# KiCad board SparkFun_GNSS_ZED-X20P_panelized.kicad_pcb (continued)
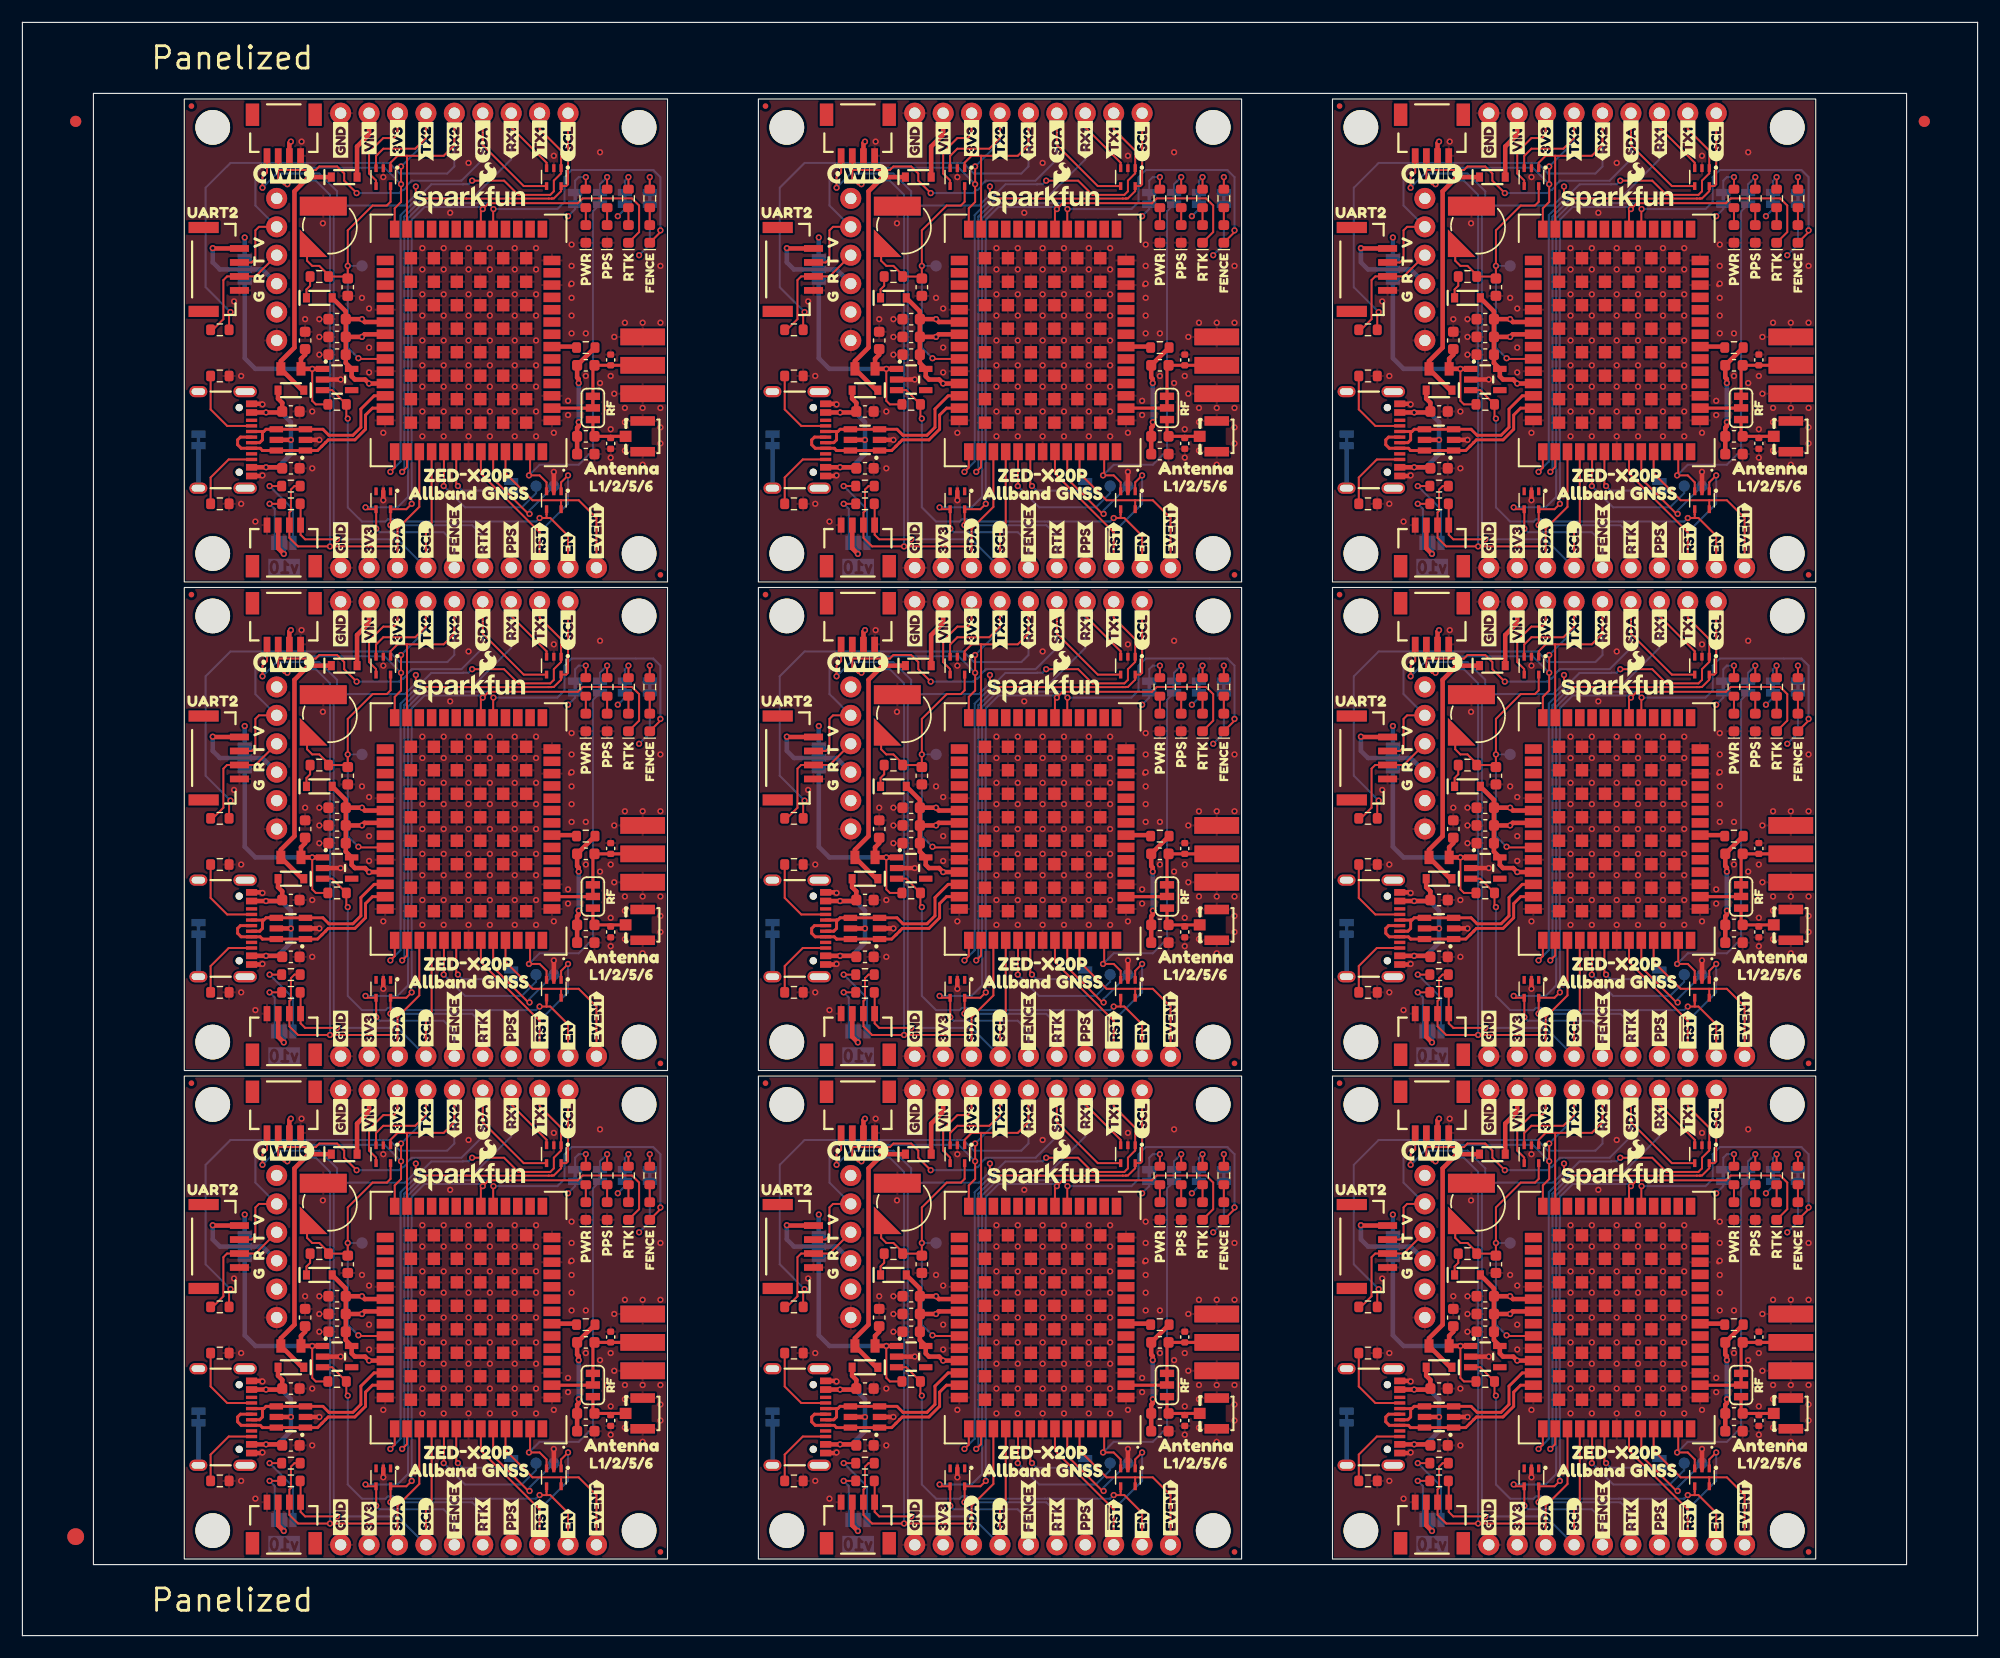
[diagram p0: board, top side]
## Placement (name value [footprint] x y rotation side) (continued)
J10#5  -  [U.FL]  106.73 107.23 180 top
J10#6  -  [U.FL]  106.73 19.87 180 top
J10#7  -  [U.FL]  55.43 63.55 180 top
J10#8  -  [U.FL]  158.03 19.87 180 top
J10#9  -  [U.FL]  158.03 107.23 180 top
J11  Conn_01x06  [1x06]  141.2 8.12 0 top
J11#2  Conn_01x06  [1x06]  141.2 95.48 0 top
J11#3  Conn_01x06  [1x06]  141.2 51.8 0 top
J11#4  Conn_01x06  [1x06]  38.6 8.12 0 top
J11#5  Conn_01x06  [1x06]  38.6 51.8 0 top
J11#6  Conn_01x06  [1x06]  89.9 8.12 0 top
J11#7  Conn_01x06  [1x06]  38.6 95.48 0 top
J11#8  Conn_01x06  [1x06]  89.9 51.8 0 top
J11#9  Conn_01x06  [1x06]  89.9 95.48 0 top
JP1  RF  [Jumper_3_NC-1_Trace]  50.98 22.41 270 top
JP1#2  RF  [Jumper_3_NC-1_Trace]  50.98 109.77 270 top
JP1#3  RF  [Jumper_3_NC-1_Trace]  153.58 109.77 270 top
JP1#4  RF  [Jumper_3_NC-1_Trace]  153.58 22.41 270 top
JP1#5  RF  [Jumper_3_NC-1_Trace]  153.58 66.09 270 top
JP1#6  RF  [Jumper_3_NC-1_Trace]  102.28 22.41 270 top
JP1#7  RF  [Jumper_3_NC-1_Trace]  50.98 66.09 270 top
JP1#8  RF  [Jumper_3_NC-1_Trace]  102.28 109.77 270 top
JP1#9  RF  [Jumper_3_NC-1_Trace]  102.28 66.09 270 top
JP2  ~  [Jumper_2_NC_Trace]  49.4 84.82 270 bottom
JP2#2  ~  [Jumper_2_NC_Trace]  151.99 41.14 270 bottom
JP2#3  ~  [Jumper_2_NC_Trace]  151.99 84.82 270 bottom
JP2#4  ~  [Jumper_2_NC_Trace]  49.4 128.5 270 bottom
JP2#5  ~  [Jumper_2_NC_Trace]  100.69 41.14 270 bottom
JP2#6  ~  [Jumper_2_NC_Trace]  100.69 128.5 270 bottom
JP2#7  ~  [Jumper_2_NC_Trace]  100.69 84.82 270 bottom
JP2#8  ~  [Jumper_2_NC_Trace]  151.99 128.5 270 bottom
JP2#9  ~  [Jumper_2_NC_Trace]  49.4 41.14 270 bottom
JP3  ~  [Jumper_2_NC_Trace]  51.62 41.14 270 bottom
JP3#2  ~  [Jumper_2_NC_Trace]  154.22 41.14 270 bottom
JP3#3  ~  [Jumper_2_NC_Trace]  51.62 84.82 270 bottom
JP3#4  ~  [Jumper_2_NC_Trace]  102.92 41.14 270 bottom
JP3#5  ~  [Jumper_2_NC_Trace]  102.92 84.82 270 bottom
JP3#6  ~  [Jumper_2_NC_Trace]  154.22 128.5 270 bottom
JP3#7  ~  [Jumper_2_NC_Trace]  154.22 84.82 270 bottom
JP3#8  ~  [Jumper_2_NC_Trace]  102.92 128.5 270 bottom
JP3#9  ~  [Jumper_2_NC_Trace]  51.62 128.5 270 bottom
JP4  ~  [Jumper_3_NC-1_Trace]  19.87 34.79 270 bottom
JP4#2  ~  [Jumper_3_NC-1_Trace]  122.47 122.15 270 bottom
JP4#3  ~  [Jumper_3_NC-1_Trace]  19.87 78.47 270 bottom
JP4#4  ~  [Jumper_3_NC-1_Trace]  71.17 122.15 270 bottom
JP4#5  ~  [Jumper_3_NC-1_Trace]  19.87 122.15 270 bottom
JP4#6  ~  [Jumper_3_NC-1_Trace]  71.17 78.47 270 bottom
JP4#7  ~  [Jumper_3_NC-1_Trace]  122.47 34.79 270 bottom
JP4#8  ~  [Jumper_3_NC-1_Trace]  71.17 34.79 270 bottom
JP4#9  ~  [Jumper_3_NC-1_Trace]  122.47 78.47 270 bottom
JP5  ~  [Jumper_2_NC_Trace]  105.14 41.14 270 bottom
JP5#2  ~  [Jumper_2_NC_Trace]  53.84 128.5 270 bottom
JP5#3  ~  [Jumper_2_NC_Trace]  53.84 84.82 270 bottom
JP5#4  ~  [Jumper_2_NC_Trace]  156.44 128.5 270 bottom
JP5#5  ~  [Jumper_2_NC_Trace]  105.14 84.82 270 bottom
JP5#6  ~  [Jumper_2_NC_Trace]  156.44 84.82 270 bottom
JP5#7  ~  [Jumper_2_NC_Trace]  156.44 41.14 270 bottom
JP5#8  ~  [Jumper_2_NC_Trace]  105.14 128.5 270 bottom
JP5#9  ~  [Jumper_2_NC_Trace]  53.84 41.14 270 bottom
JP7  ~  [Jumper_2_NC_Trace]  15.74 19.55 270 bottom
JP7#2  ~  [Jumper_2_NC_Trace]  67.04 106.91 270 bottom
JP7#3  ~  [Jumper_2_NC_Trace]  118.34 63.23 270 bottom
JP7#4  ~  [Jumper_2_NC_Trace]  67.04 19.55 270 bottom
JP7#5  ~  [Jumper_2_NC_Trace]  118.34 106.91 270 bottom
JP7#6  ~  [Jumper_2_NC_Trace]  15.74 63.23 270 bottom
JP7#7  ~  [Jumper_2_NC_Trace]  15.74 106.91 270 bottom
JP7#8  ~  [Jumper_2_NC_Trace]  67.04 63.23 270 bottom
JP7#9  ~  [Jumper_2_NC_Trace]  118.34 19.55 270 bottom
JP8  ~  [Jumper_2_NC_Trace]  56.06 41.14 270 bottom
JP8#2  ~  [Jumper_2_NC_Trace]  56.06 84.82 270 bottom
JP8#3  ~  [Jumper_2_NC_Trace]  107.36 128.5 270 bottom
JP8#4  ~  [Jumper_2_NC_Trace]  56.06 128.5 270 bottom
JP8#5  ~  [Jumper_2_NC_Trace]  107.36 41.14 270 bottom
JP8#6  ~  [Jumper_2_NC_Trace]  107.36 84.82 270 bottom
JP8#7  ~  [Jumper_2_NC_Trace]  158.66 41.14 270 bottom
JP8#8  ~  [Jumper_2_NC_Trace]  158.66 84.82 270 bottom
JP8#9  ~  [Jumper_2_NC_Trace]  158.66 128.5 270 bottom
JP9  I2C  [Jumper_3_NO]  23.36 10.34 180 bottom
JP9#2  I2C  [Jumper_3_NO]  23.36 54.02 180 bottom
JP9#3  I2C  [Jumper_3_NO]  23.36 97.7 180 bottom
JP9#4  I2C  [Jumper_3_NO]  74.66 10.34 180 bottom
JP9#5  I2C  [Jumper_3_NO]  74.66 54.02 180 bottom
JP9#6  I2C  [Jumper_3_NO]  125.96 97.7 180 bottom
JP9#7  I2C  [Jumper_3_NO]  125.96 10.34 180 bottom
JP9#8  I2C  [Jumper_3_NO]  125.96 54.02 180 bottom
JP9#9  I2C  [Jumper_3_NO]  74.66 97.7 180 bottom
JP10  SPI  [Jumper_2_NO]  43.68 15.42 270 bottom
JP10#2  SPI  [Jumper_2_NO]  43.68 59.1 270 bottom
JP10#3  SPI  [Jumper_2_NO]  94.98 59.1 270 bottom
JP10#4  SPI  [Jumper_2_NO]  94.98 15.42 270 bottom
JP10#5  SPI  [Jumper_2_NO]  146.28 59.1 270 bottom
JP10#6  SPI  [Jumper_2_NO]  43.68 102.78 270 bottom
JP10#7  SPI  [Jumper_2_NO]  94.98 102.78 270 bottom
JP10#8  SPI  [Jumper_2_NO]  146.28 15.42 270 bottom
JP10#9  SPI  [Jumper_2_NO]  146.28 102.78 270 bottom
kibuzzard-64C2E6A3  G***  [kibuzzard-64C2E6A3]  50.35 78.47 90 top
kibuzzard-64C2E6A3#2  G***  [kibuzzard-64C2E6A3]  50.35 34.79 90 top
kibuzzard-64C2E6A3#3  G***  [kibuzzard-64C2E6A3]  152.95 122.15 90 top
kibuzzard-64C2E6A3#4  G***  [kibuzzard-64C2E6A3]  101.65 78.47 90 top
kibuzzard-64C2E6A3#5  G***  [kibuzzard-64C2E6A3]  152.95 78.47 90 top
kibuzzard-64C2E6A3#6  G***  [kibuzzard-64C2E6A3]  101.65 34.79 90 top
kibuzzard-64C2E6A3#7  G***  [kibuzzard-64C2E6A3]  152.95 34.79 90 top
kibuzzard-64C2E6A3#8  G***  [kibuzzard-64C2E6A3]  101.65 122.15 90 top
kibuzzard-64C2E6A3#9  G***  [kibuzzard-64C2E6A3]  50.35 122.15 90 top
kibuzzard-64C2E6BD  G***  [kibuzzard-64C2E6BD]  52.25 35.11 90 top
kibuzzard-64C2E6BD#2  G***  [kibuzzard-64C2E6BD]  52.25 78.79 90 top
kibuzzard-64C2E6BD#3  G***  [kibuzzard-64C2E6BD]  52.25 122.47 90 top
kibuzzard-64C2E6BD#4  G***  [kibuzzard-64C2E6BD]  103.55 122.47 90 top
kibuzzard-64C2E6BD#5  G***  [kibuzzard-64C2E6BD]  154.85 122.47 90 top
kibuzzard-64C2E6BD#6  G***  [kibuzzard-64C2E6BD]  103.55 35.11 90 top
kibuzzard-64C2E6BD#7  G***  [kibuzzard-64C2E6BD]  103.55 78.79 90 top
kibuzzard-64C2E6BD#8  G***  [kibuzzard-64C2E6BD]  154.85 35.11 90 top
kibuzzard-64C2E6BD#9  G***  [kibuzzard-64C2E6BD]  154.85 78.79 90 top
kibuzzard-64C2E6D6  G***  [kibuzzard-64C2E6D6]  54.16 34.99 90 top
kibuzzard-64C2E6D6#2  G***  [kibuzzard-64C2E6D6]  54.16 78.67 90 top
kibuzzard-64C2E6D6#3  G***  [kibuzzard-64C2E6D6]  54.16 122.35 90 top
kibuzzard-64C2E6D6#4  G***  [kibuzzard-64C2E6D6]  105.46 78.67 90 top
kibuzzard-64C2E6D6#5  G***  [kibuzzard-64C2E6D6]  105.46 34.99 90 top
kibuzzard-64C2E6D6#6  G***  [kibuzzard-64C2E6D6]  156.76 78.67 90 top
kibuzzard-64C2E6D6#7  G***  [kibuzzard-64C2E6D6]  156.76 122.35 90 top
kibuzzard-64C2E6D6#8  G***  [kibuzzard-64C2E6D6]  105.46 122.35 90 top
kibuzzard-64C2E6D6#9  G***  [kibuzzard-64C2E6D6]  156.76 34.99 90 top
kibuzzard-64C3DF93  G***  [kibuzzard-64C3DF93]  17.51 19.55 270 bottom
kibuzzard-64C3DF93#2  G***  [kibuzzard-64C3DF93]  17.51 63.23 270 bottom
kibuzzard-64C3DF93#3  G***  [kibuzzard-64C3DF93]  68.81 19.55 270 bottom
kibuzzard-64C3DF93#4  G***  [kibuzzard-64C3DF93]  17.51 106.91 270 bottom
kibuzzard-64C3DF93#5  G***  [kibuzzard-64C3DF93]  68.81 63.23 270 bottom
kibuzzard-64C3DF93#6  G***  [kibuzzard-64C3DF93]  120.11 19.55 270 bottom
kibuzzard-64C3DF93#7  G***  [kibuzzard-64C3DF93]  68.81 106.91 270 bottom
kibuzzard-64C3DF93#8  G***  [kibuzzard-64C3DF93]  120.11 63.23 270 bottom
kibuzzard-64C3DF93#9  G***  [kibuzzard-64C3DF93]  120.11 106.91 270 bottom
kibuzzard-66CAA7B2  G***  [kibuzzard-66CAA7B2]  51.3 11.45 90 top
kibuzzard-66CAA7B2#2  G***  [kibuzzard-66CAA7B2]  51.3 98.81 90 top
kibuzzard-66CAA7B2#3  G***  [kibuzzard-66CAA7B2]  153.9 55.13 90 top
kibuzzard-66CAA7B2#4  G***  [kibuzzard-66CAA7B2]  102.6 55.13 90 top
kibuzzard-66CAA7B2#5  G***  [kibuzzard-66CAA7B2]  102.6 98.81 90 top
kibuzzard-66CAA7B2#6  G***  [kibuzzard-66CAA7B2]  153.9 98.81 90 top
kibuzzard-66CAA7B2#7  G***  [kibuzzard-66CAA7B2]  102.6 11.45 90 top
kibuzzard-66CAA7B2#8  G***  [kibuzzard-66CAA7B2]  51.3 55.13 90 top
kibuzzard-66CAA7B2#9  G***  [kibuzzard-66CAA7B2]  153.9 11.45 90 top
kibuzzard-66CAA41A  G***  [kibuzzard-66CAA41A]  33.52 54.43 90 top
kibuzzard-66CAA41A#2  G***  [kibuzzard-66CAA41A]  136.12 98.11 90 top
kibuzzard-66CAA41A#3  G***  [kibuzzard-66CAA41A]  84.82 10.75 90 top
kibuzzard-66CAA41A#4  G***  [kibuzzard-66CAA41A]  84.82 54.43 90 top
kibuzzard-66CAA41A#5  G***  [kibuzzard-66CAA41A]  84.82 98.11 90 top
kibuzzard-66CAA41A#6  G***  [kibuzzard-66CAA41A]  33.52 98.11 90 top
kibuzzard-66CAA41A#7  G***  [kibuzzard-66CAA41A]  136.12 10.75 90 top
kibuzzard-66CAA41A#8  G***  [kibuzzard-66CAA41A]  136.12 54.43 90 top
kibuzzard-66CAA41A#9  G***  [kibuzzard-66CAA41A]  33.52 10.75 90 top
kibuzzard-66CAA426  G***  [kibuzzard-66CAA426]  30.98 97.83 90 top
kibuzzard-66CAA426#2  G***  [kibuzzard-66CAA426]  82.28 54.15 90 top
kibuzzard-66CAA426#3  G***  [kibuzzard-66CAA426]  133.58 54.15 90 top
kibuzzard-66CAA426#4  G***  [kibuzzard-66CAA426]  30.98 54.15 90 top
kibuzzard-66CAA426#5  G***  [kibuzzard-66CAA426]  133.58 97.83 90 top
kibuzzard-66CAA426#6  G***  [kibuzzard-66CAA426]  82.28 10.47 90 top
kibuzzard-66CAA426#7  G***  [kibuzzard-66CAA426]  133.58 10.47 90 top
kibuzzard-66CAA426#8  G***  [kibuzzard-66CAA426]  82.28 97.83 90 top
kibuzzard-66CAA426#9  G***  [kibuzzard-66CAA426]  30.98 10.47 90 top
kibuzzard-66CAA432  G***  [kibuzzard-66CAA432]  28.44 97.95 90 top
kibuzzard-66CAA432#2  G***  [kibuzzard-66CAA432]  131.04 54.27 90 top
kibuzzard-66CAA432#3  G***  [kibuzzard-66CAA432]  131.04 97.95 90 top
kibuzzard-66CAA432#4  G***  [kibuzzard-66CAA432]  79.74 10.59 90 top
kibuzzard-66CAA432#5  G***  [kibuzzard-66CAA432]  131.04 10.59 90 top
kibuzzard-66CAA432#6  G***  [kibuzzard-66CAA432]  79.74 54.27 90 top
kibuzzard-66CAA432#7  G***  [kibuzzard-66CAA432]  79.74 97.95 90 top
kibuzzard-66CAA432#8  G***  [kibuzzard-66CAA432]  28.44 54.27 90 top
kibuzzard-66CAA432#9  G***  [kibuzzard-66CAA432]  28.44 10.59 90 top
kibuzzard-66CAA594  G***  [kibuzzard-66CAA594]  36.06 10.66 90 top
kibuzzard-66CAA594#2  G***  [kibuzzard-66CAA594]  87.36 10.66 90 top
kibuzzard-66CAA594#3  G***  [kibuzzard-66CAA594]  87.36 98.02 90 top
kibuzzard-66CAA594#4  G***  [kibuzzard-66CAA594]  36.06 54.34 90 top
kibuzzard-66CAA594#5  G***  [kibuzzard-66CAA594]  36.06 98.02 90 top
kibuzzard-66CAA594#6  G***  [kibuzzard-66CAA594]  138.66 10.66 90 top
kibuzzard-66CAA594#7  G***  [kibuzzard-66CAA594]  87.36 54.34 90 top
kibuzzard-66CAA594#8  G***  [kibuzzard-66CAA594]  138.66 54.34 90 top
kibuzzard-66CAA594#9  G***  [kibuzzard-66CAA594]  138.66 98.02 90 top
kibuzzard-66CB82FB  G***  [kibuzzard-66CB82FB]  19.87 124.69 180 bottom
kibuzzard-66CB82FB#2  G***  [kibuzzard-66CB82FB]  71.17 37.33 180 bottom
kibuzzard-66CB82FB#3  G***  [kibuzzard-66CB82FB]  122.47 124.69 180 bottom
kibuzzard-66CB82FB#4  G***  [kibuzzard-66CB82FB]  19.87 81.01 180 bottom
kibuzzard-66CB82FB#5  G***  [kibuzzard-66CB82FB]  122.47 81.01 180 bottom
kibuzzard-66CB82FB#6  G***  [kibuzzard-66CB82FB]  71.17 81.01 180 bottom
kibuzzard-66CB82FB#7  G***  [kibuzzard-66CB82FB]  71.17 124.69 180 bottom
kibuzzard-66CB82FB#8  G***  [kibuzzard-66CB82FB]  122.47 37.33 180 bottom
kibuzzard-66CB82FB#9  G***  [kibuzzard-66CB82FB]  19.87 37.33 180 bottom
kibuzzard-66CB829C  G***  [kibuzzard-66CB829C]  69.26 34.79 270 bottom
kibuzzard-66CB829C#2  G***  [kibuzzard-66CB829C]  17.96 122.15 270 bottom
kibuzzard-66CB829C#3  G***  [kibuzzard-66CB829C]  17.96 78.47 270 bottom
kibuzzard-66CB829C#4  G***  [kibuzzard-66CB829C]  120.56 122.15 270 bottom
kibuzzard-66CB829C#5  G***  [kibuzzard-66CB829C]  120.56 34.79 270 bottom
kibuzzard-66CB829C#6  G***  [kibuzzard-66CB829C]  120.56 78.47 270 bottom
kibuzzard-66CB829C#7  G***  [kibuzzard-66CB829C]  69.26 78.47 270 bottom
kibuzzard-66CB829C#8  G***  [kibuzzard-66CB829C]  69.26 122.15 270 bottom
kibuzzard-66CB829C#9  G***  [kibuzzard-66CB829C]  17.96 34.79 270 bottom
kibuzzard-66CB830B  G***  [kibuzzard-66CB830B]  19.87 32.25 180 bottom
kibuzzard-66CB830B#2  G***  [kibuzzard-66CB830B]  71.17 119.61 180 bottom
kibuzzard-66CB830B#3  G***  [kibuzzard-66CB830B]  71.17 75.93 180 bottom
kibuzzard-66CB830B#4  G***  [kibuzzard-66CB830B]  122.47 75.93 180 bottom
kibuzzard-66CB830B#5  G***  [kibuzzard-66CB830B]  19.87 75.93 180 bottom
kibuzzard-66CB830B#6  G***  [kibuzzard-66CB830B]  71.17 32.25 180 bottom
kibuzzard-66CB830B#7  G***  [kibuzzard-66CB830B]  19.87 119.61 180 bottom
kibuzzard-66CB830B#8  G***  [kibuzzard-66CB830B]  122.47 32.25 180 bottom
kibuzzard-66CB830B#9  G***  [kibuzzard-66CB830B]  122.47 119.61 180 bottom
kibuzzard-67EC5C53  G***  [kibuzzard-67EC5C53]  43.68 105 270 bottom
kibuzzard-67EC5C53#2  G***  [kibuzzard-67EC5C53]  94.98 61.33 270 bottom
kibuzzard-67EC5C53#3  G***  [kibuzzard-67EC5C53]  146.28 17.64 270 bottom
kibuzzard-67EC5C53#4  G***  [kibuzzard-67EC5C53]  43.68 61.33 270 bottom
kibuzzard-67EC5C53#5  G***  [kibuzzard-67EC5C53]  94.98 17.64 270 bottom
kibuzzard-67EC5C53#6  G***  [kibuzzard-67EC5C53]  94.98 105 270 bottom
kibuzzard-67EC5C53#7  G***  [kibuzzard-67EC5C53]  146.28 61.33 270 bottom
kibuzzard-67EC5C53#8  G***  [kibuzzard-67EC5C53]  146.28 105 270 bottom
kibuzzard-67EC5C53#9  G***  [kibuzzard-67EC5C53]  43.68 17.64 270 bottom
kibuzzard-67EC52D7  G***  [kibuzzard-67EC52D7]  30.98 46.54 270 bottom
kibuzzard-67EC52D7#2  G***  [kibuzzard-67EC52D7]  82.28 46.54 270 bottom
kibuzzard-67EC52D7#3  G***  [kibuzzard-67EC52D7]  30.98 90.22 270 bottom
kibuzzard-67EC52D7#4  G***  [kibuzzard-67EC52D7]  30.98 133.9 270 bottom
kibuzzard-67EC52D7#5  G***  [kibuzzard-67EC52D7]  133.58 90.22 270 bottom
kibuzzard-67EC52D7#6  G***  [kibuzzard-67EC52D7]  133.58 46.54 270 bottom
kibuzzard-67EC52D7#7  G***  [kibuzzard-67EC52D7]  82.28 90.22 270 bottom
kibuzzard-67EC52D7#8  G***  [kibuzzard-67EC52D7]  133.58 133.9 270 bottom
kibuzzard-67EC52D7#9  G***  [kibuzzard-67EC52D7]  82.28 133.9 270 bottom
kibuzzard-67EC52E7  G***  [kibuzzard-67EC52E7]  30.98 46.54 90 top
kibuzzard-67EC52E7#2  G***  [kibuzzard-67EC52E7]  30.98 90.22 90 top
kibuzzard-67EC52E7#3  G***  [kibuzzard-67EC52E7]  82.28 90.22 90 top
kibuzzard-67EC52E7#4  G***  [kibuzzard-67EC52E7]  133.58 90.22 90 top
kibuzzard-67EC52E7#5  G***  [kibuzzard-67EC52E7]  30.98 133.9 90 top
kibuzzard-67EC52E7#6  G***  [kibuzzard-67EC52E7]  82.28 46.54 90 top
kibuzzard-67EC52E7#7  G***  [kibuzzard-67EC52E7]  82.28 133.9 90 top
kibuzzard-67EC52E7#8  G***  [kibuzzard-67EC52E7]  133.58 46.54 90 top
kibuzzard-67EC52E7#9  G***  [kibuzzard-67EC52E7]  133.58 133.9 90 top
kibuzzard-67EC55E2  G***  [kibuzzard-67EC55E2]  20.5 10.34 180 bottom
kibuzzard-67EC55E2#2  G***  [kibuzzard-67EC55E2]  123.1 54.02 180 bottom
kibuzzard-67EC55E2#3  G***  [kibuzzard-67EC55E2]  20.5 54.02 180 bottom
kibuzzard-67EC55E2#4  G***  [kibuzzard-67EC55E2]  123.1 97.7 180 bottom
kibuzzard-67EC55E2#5  G***  [kibuzzard-67EC55E2]  123.1 10.34 180 bottom
kibuzzard-67EC55E2#6  G***  [kibuzzard-67EC55E2]  20.5 97.7 180 bottom
kibuzzard-67EC55E2#7  G***  [kibuzzard-67EC55E2]  71.8 10.34 180 bottom
kibuzzard-67EC55E2#8  G***  [kibuzzard-67EC55E2]  71.8 54.02 180 bottom
kibuzzard-67EC55E2#9  G***  [kibuzzard-67EC55E2]  71.8 97.7 180 bottom
kibuzzard-67EC56CE  G***  [kibuzzard-67EC56CE]  53.52 15.42 0 top
kibuzzard-67EC56CE#2  G***  [kibuzzard-67EC56CE]  104.82 59.1 0 top
kibuzzard-67EC56CE#3  G***  [kibuzzard-67EC56CE]  156.12 59.1 0 top
kibuzzard-67EC56CE#4  G***  [kibuzzard-67EC56CE]  53.52 59.1 0 top
kibuzzard-67EC56CE#5  G***  [kibuzzard-67EC56CE]  53.52 102.78 0 top
kibuzzard-67EC56CE#6  G***  [kibuzzard-67EC56CE]  104.82 102.78 0 top
kibuzzard-67EC56CE#7  G***  [kibuzzard-67EC56CE]  104.82 15.42 0 top
kibuzzard-67EC56CE#8  G***  [kibuzzard-67EC56CE]  156.12 15.42 0 top
kibuzzard-67EC56CE#9  G***  [kibuzzard-67EC56CE]  156.12 102.78 0 top
kibuzzard-67EC56CE#10  G***  [kibuzzard-67EC56CE]  52.25 26.22 270 bottom
kibuzzard-67EC56CE#11  G***  [kibuzzard-67EC56CE]  52.25 113.58 270 bottom
kibuzzard-67EC56CE#12  G***  [kibuzzard-67EC56CE]  103.55 26.22 270 bottom
kibuzzard-67EC56CE#13  G***  [kibuzzard-67EC56CE]  52.25 69.9 270 bottom
kibuzzard-67EC56CE#14  G***  [kibuzzard-67EC56CE]  103.55 69.9 270 bottom
kibuzzard-67EC56CE#15  G***  [kibuzzard-67EC56CE]  103.55 113.58 270 bottom
kibuzzard-67EC56CE#16  G***  [kibuzzard-67EC56CE]  154.85 69.9 270 bottom
kibuzzard-67EC56CE#17  G***  [kibuzzard-67EC56CE]  154.85 113.58 270 bottom
kibuzzard-67EC56CE#18  G***  [kibuzzard-67EC56CE]  154.85 26.22 270 bottom
kibuzzard-67EC56E0  G***  [kibuzzard-67EC56E0]  53.52 17.01 0 top
kibuzzard-67EC56E0#2  G***  [kibuzzard-67EC56E0]  104.82 17.01 0 top
kibuzzard-67EC56E0#3  G***  [kibuzzard-67EC56E0]  53.52 60.69 0 top
kibuzzard-67EC56E0#4  G***  [kibuzzard-67EC56E0]  53.52 104.37 0 top
kibuzzard-67EC56E0#5  G***  [kibuzzard-67EC56E0]  156.12 17.01 0 top
kibuzzard-67EC56E0#6  G***  [kibuzzard-67EC56E0]  104.82 60.69 0 top
kibuzzard-67EC56E0#7  G***  [kibuzzard-67EC56E0]  104.82 104.37 0 top
kibuzzard-67EC56E0#8  G***  [kibuzzard-67EC56E0]  156.12 104.37 0 top
kibuzzard-67EC56E0#9  G***  [kibuzzard-67EC56E0]  156.12 60.69 0 top
kibuzzard-67EC56E0#10  G***  [kibuzzard-67EC56E0]  50.66 26.22 270 bottom
kibuzzard-67EC56E0#11  G***  [kibuzzard-67EC56E0]  101.97 26.22 270 bottom
kibuzzard-67EC56E0#12  G***  [kibuzzard-67EC56E0]  153.27 26.22 270 bottom
kibuzzard-67EC56E0#13  G***  [kibuzzard-67EC56E0]  101.97 113.58 270 bottom
kibuzzard-67EC56E0#14  G***  [kibuzzard-67EC56E0]  50.66 69.9 270 bottom
kibuzzard-67EC56E0#15  G***  [kibuzzard-67EC56E0]  50.66 113.58 270 bottom
kibuzzard-67EC56E0#16  G***  [kibuzzard-67EC56E0]  101.97 69.9 270 bottom
kibuzzard-67EC56E0#17  G***  [kibuzzard-67EC56E0]  153.27 69.9 270 bottom
kibuzzard-67EC56E0#18  G***  [kibuzzard-67EC56E0]  153.27 113.58 270 bottom
kibuzzard-67EC56FC  G***  [kibuzzard-67EC56FC]  39.87 16.38 0 top
kibuzzard-67EC56FC#2  G***  [kibuzzard-67EC56FC]  39.87 60.06 0 top
kibuzzard-67EC56FC#3  G***  [kibuzzard-67EC56FC]  91.17 60.06 0 top
kibuzzard-67EC56FC#4  G***  [kibuzzard-67EC56FC]  91.17 103.73 0 top
kibuzzard-67EC56FC#5  G***  [kibuzzard-67EC56FC]  142.47 16.38 0 top
kibuzzard-67EC56FC#6  G***  [kibuzzard-67EC56FC]  39.87 103.73 0 top
kibuzzard-67EC56FC#7  G***  [kibuzzard-67EC56FC]  91.17 16.38 0 top
kibuzzard-67EC56FC#8  G***  [kibuzzard-67EC56FC]  142.47 60.06 0 top
kibuzzard-67EC56FC#9  G***  [kibuzzard-67EC56FC]  142.47 103.73 0 top
kibuzzard-67EC530B  G***  [kibuzzard-67EC530B]  38.6 11.3 90 top
kibuzzard-67EC530B#2  G***  [kibuzzard-67EC530B]  38.6 98.66 90 top
kibuzzard-67EC530B#3  G***  [kibuzzard-67EC530B]  38.6 54.98 90 top
kibuzzard-67EC530B#4  G***  [kibuzzard-67EC530B]  141.2 11.3 90 top
kibuzzard-67EC530B#5  G***  [kibuzzard-67EC530B]  141.2 54.98 90 top
kibuzzard-67EC530B#6  G***  [kibuzzard-67EC530B]  141.2 98.66 90 top
kibuzzard-67EC530B#7  G***  [kibuzzard-67EC530B]  89.9 11.3 90 top
kibuzzard-67EC530B#8  G***  [kibuzzard-67EC530B]  89.9 98.66 90 top
kibuzzard-67EC530B#9  G***  [kibuzzard-67EC530B]  89.9 54.98 90 top
kibuzzard-67EC532A  G***  [kibuzzard-67EC532A]  38.6 11.3 270 bottom
kibuzzard-67EC532A#2  G***  [kibuzzard-67EC532A]  38.6 54.98 270 bottom
kibuzzard-67EC532A#3  G***  [kibuzzard-67EC532A]  141.2 11.3 270 bottom
kibuzzard-67EC532A#4  G***  [kibuzzard-67EC532A]  89.9 98.66 270 bottom
kibuzzard-67EC532A#5  G***  [kibuzzard-67EC532A]  38.6 98.66 270 bottom
kibuzzard-67EC532A#6  G***  [kibuzzard-67EC532A]  89.9 54.98 270 bottom
kibuzzard-67EC532A#7  G***  [kibuzzard-67EC532A]  141.2 54.98 270 bottom
kibuzzard-67EC532A#8  G***  [kibuzzard-67EC532A]  141.2 98.66 270 bottom
kibuzzard-67EC532A#9  G***  [kibuzzard-67EC532A]  89.9 11.3 270 bottom
kibuzzard-67EC572D  G***  [kibuzzard-67EC572D]  37.01 69.9 270 bottom
kibuzzard-67EC572D#2  G***  [kibuzzard-67EC572D]  139.61 26.22 270 bottom
kibuzzard-67EC572D#3  G***  [kibuzzard-67EC572D]  37.01 113.58 270 bottom
kibuzzard-67EC572D#4  G***  [kibuzzard-67EC572D]  88.31 26.22 270 bottom
kibuzzard-67EC572D#5  G***  [kibuzzard-67EC572D]  88.31 69.9 270 bottom
kibuzzard-67EC572D#6  G***  [kibuzzard-67EC572D]  88.31 113.58 270 bottom
kibuzzard-67EC572D#7  G***  [kibuzzard-67EC572D]  139.61 69.9 270 bottom
kibuzzard-67EC572D#8  G***  [kibuzzard-67EC572D]  139.61 113.58 270 bottom
kibuzzard-67EC572D#9  G***  [kibuzzard-67EC572D]  37.01 26.22 270 bottom
kibuzzard-67EC5004  G***  [kibuzzard-67EC5004]  45.9 18.92 270 bottom
kibuzzard-67EC5004#2  G***  [kibuzzard-67EC5004]  45.9 62.6 270 bottom
kibuzzard-67EC5004#3  G***  [kibuzzard-67EC5004]  45.9 106.28 270 bottom
kibuzzard-67EC5004#4  G***  [kibuzzard-67EC5004]  148.5 62.6 270 bottom
kibuzzard-67EC5004#5  G***  [kibuzzard-67EC5004]  97.2 62.6 270 bottom
kibuzzard-67EC5004#6  G***  [kibuzzard-67EC5004]  148.5 18.92 270 bottom
kibuzzard-67EC5004#7  G***  [kibuzzard-67EC5004]  97.2 18.92 270 bottom
kibuzzard-67EC5004#8  G***  [kibuzzard-67EC5004]  97.2 106.28 270 bottom
kibuzzard-67EC5004#9  G***  [kibuzzard-67EC5004]  148.5 106.28 270 bottom
kibuzzard-67EC5083  G***  [kibuzzard-67EC5083]  56.06 34.47 90 top
kibuzzard-67EC5083#2  G***  [kibuzzard-67EC5083]  56.06 78.15 90 top
kibuzzard-67EC5083#3  G***  [kibuzzard-67EC5083]  56.06 121.83 90 top
kibuzzard-67EC5083#4  G***  [kibuzzard-67EC5083]  107.36 78.15 90 top
kibuzzard-67EC5083#5  G***  [kibuzzard-67EC5083]  158.66 78.15 90 top
kibuzzard-67EC5083#6  G***  [kibuzzard-67EC5083]  107.36 121.83 90 top
kibuzzard-67EC5083#7  G***  [kibuzzard-67EC5083]  107.36 34.47 90 top
kibuzzard-67EC5083#8  G***  [kibuzzard-67EC5083]  158.66 34.47 90 top
kibuzzard-67EC5083#9  G***  [kibuzzard-67EC5083]  158.66 121.83 90 top
kibuzzard-67EC5549  G***  [kibuzzard-67EC5549]  47.49 61.64 270 bottom
kibuzzard-67EC5549#2  G***  [kibuzzard-67EC5549]  47.49 105.32 270 bottom
kibuzzard-67EC5549#3  G***  [kibuzzard-67EC5549]  98.79 105.32 270 bottom
kibuzzard-67EC5549#4  G***  [kibuzzard-67EC5549]  150.09 105.32 270 bottom
kibuzzard-67EC5549#5  G***  [kibuzzard-67EC5549]  150.09 61.64 270 bottom
kibuzzard-67EC5549#6  G***  [kibuzzard-67EC5549]  98.79 17.96 270 bottom
kibuzzard-67EC5549#7  G***  [kibuzzard-67EC5549]  98.79 61.64 270 bottom
kibuzzard-67EC5549#8  G***  [kibuzzard-67EC5549]  150.09 17.96 270 bottom
kibuzzard-67EC5549#9  G***  [kibuzzard-67EC5549]  47.49 17.96 270 bottom
kibuzzard-67EC5701  G***  [kibuzzard-67EC5701]  39.87 14.79 0 top
kibuzzard-67EC5701#2  G***  [kibuzzard-67EC5701]  39.87 58.47 0 top
kibuzzard-67EC5701#3  G***  [kibuzzard-67EC5701]  142.47 58.47 0 top
kibuzzard-67EC5701#4  G***  [kibuzzard-67EC5701]  142.47 102.15 0 top
kibuzzard-67EC5701#5  G***  [kibuzzard-67EC5701]  39.87 102.15 0 top
kibuzzard-67EC5701#6  G***  [kibuzzard-67EC5701]  91.17 102.15 0 top
kibuzzard-67EC5701#7  G***  [kibuzzard-67EC5701]  91.17 14.79 0 top
kibuzzard-67EC5701#8  G***  [kibuzzard-67EC5701]  91.17 58.47 0 top
kibuzzard-67EC5701#9  G***  [kibuzzard-67EC5701]  142.47 14.79 0 top
kibuzzard-67EC5939  G***  [kibuzzard-67EC5939]  17.01 39.87 0 top
kibuzzard-67EC5939#2  G***  [kibuzzard-67EC5939]  68.31 39.87 0 top
kibuzzard-67EC5939#3  G***  [kibuzzard-67EC5939]  17.01 83.55 0 top
kibuzzard-67EC5939#4  G***  [kibuzzard-67EC5939]  17.01 127.23 0 top
kibuzzard-67EC5939#5  G***  [kibuzzard-67EC5939]  119.61 83.55 0 top
kibuzzard-67EC5939#6  G***  [kibuzzard-67EC5939]  68.31 83.55 0 top
kibuzzard-67EC5939#7  G***  [kibuzzard-67EC5939]  68.31 127.23 0 top
kibuzzard-67EC5939#8  G***  [kibuzzard-67EC5939]  119.61 39.87 0 top
kibuzzard-67EC5939#9  G***  [kibuzzard-67EC5939]  119.61 127.23 0 top
kibuzzard-67ED9A4D  G***  [kibuzzard-67ED9A4D]  33.52 133.9 90 top
kibuzzard-67ED9A4D#2  G***  [kibuzzard-67ED9A4D]  33.52 90.22 90 top
kibuzzard-67ED9A4D#3  G***  [kibuzzard-67ED9A4D]  84.82 133.9 90 top
kibuzzard-67ED9A4D#4  G***  [kibuzzard-67ED9A4D]  84.82 46.54 90 top
kibuzzard-67ED9A4D#5  G***  [kibuzzard-67ED9A4D]  84.82 90.22 90 top
kibuzzard-67ED9A4D#6  G***  [kibuzzard-67ED9A4D]  136.12 133.9 90 top
kibuzzard-67ED9A4D#7  G***  [kibuzzard-67ED9A4D]  136.12 46.54 90 top
kibuzzard-67ED9A4D#8  G***  [kibuzzard-67ED9A4D]  136.12 90.22 90 top
kibuzzard-67ED9A4D#9  G***  [kibuzzard-67ED9A4D]  33.52 46.54 90 top
kibuzzard-67ED9A5A  G***  [kibuzzard-67ED9A5A]  43.68 46.38 90 top
kibuzzard-67ED9A5A#2  G***  [kibuzzard-67ED9A5A]  94.98 133.74 90 top
kibuzzard-67ED9A5A#3  G***  [kibuzzard-67ED9A5A]  43.68 90.06 90 top
kibuzzard-67ED9A5A#4  G***  [kibuzzard-67ED9A5A]  43.68 133.74 90 top
kibuzzard-67ED9A5A#5  G***  [kibuzzard-67ED9A5A]  94.98 90.06 90 top
kibuzzard-67ED9A5A#6  G***  [kibuzzard-67ED9A5A]  94.98 46.38 90 top
kibuzzard-67ED9A5A#7  G***  [kibuzzard-67ED9A5A]  146.28 133.74 90 top
kibuzzard-67ED9A5A#8  G***  [kibuzzard-67ED9A5A]  146.28 46.38 90 top
kibuzzard-67ED9A5A#9  G***  [kibuzzard-67ED9A5A]  146.28 90.06 90 top
kibuzzard-67ED9A5D  G***  [kibuzzard-67ED9A5D]  46.22 46.38 90 top
kibuzzard-67ED9A5D#2  G***  [kibuzzard-67ED9A5D]  46.22 90.06 90 top
kibuzzard-67ED9A5D#3  G***  [kibuzzard-67ED9A5D]  97.52 133.74 90 top
kibuzzard-67ED9A5D#4  G***  [kibuzzard-67ED9A5D]  46.22 133.74 90 top
kibuzzard-67ED9A5D#5  G***  [kibuzzard-67ED9A5D]  97.52 46.38 90 top
kibuzzard-67ED9A5D#6  G***  [kibuzzard-67ED9A5D]  148.82 46.38 90 top
kibuzzard-67ED9A5D#7  G***  [kibuzzard-67ED9A5D]  97.52 90.06 90 top
kibuzzard-67ED9A5D#8  G***  [kibuzzard-67ED9A5D]  148.82 133.74 90 top
kibuzzard-67ED9A5D#9  G***  [kibuzzard-67ED9A5D]  148.82 90.06 90 top
kibuzzard-67ED9A28  G***  [kibuzzard-67ED9A28]  48.76 46.22 90 top
kibuzzard-67ED9A28#2  G***  [kibuzzard-67ED9A28]  48.76 89.9 90 top
kibuzzard-67ED9A28#3  G***  [kibuzzard-67ED9A28]  48.76 133.58 90 top
kibuzzard-67ED9A28#4  G***  [kibuzzard-67ED9A28]  100.06 46.22 90 top
kibuzzard-67ED9A28#5  G***  [kibuzzard-67ED9A28]  100.06 133.58 90 top
kibuzzard-67ED9A28#6  G***  [kibuzzard-67ED9A28]  151.36 133.58 90 top
kibuzzard-67ED9A28#7  G***  [kibuzzard-67ED9A28]  151.36 46.22 90 top
kibuzzard-67ED9A28#8  G***  [kibuzzard-67ED9A28]  151.36 89.9 90 top
kibuzzard-67ED9A28#9  G***  [kibuzzard-67ED9A28]  100.06 89.9 90 top
kibuzzard-67ED9A70  G***  [kibuzzard-67ED9A70]  41.14 46.22 90 top
kibuzzard-67ED9A70#2  G***  [kibuzzard-67ED9A70]  41.14 89.9 90 top
kibuzzard-67ED9A70#3  G***  [kibuzzard-67ED9A70]  92.44 89.9 90 top
kibuzzard-67ED9A70#4  G***  [kibuzzard-67ED9A70]  92.44 133.58 90 top
kibuzzard-67ED9A70#5  G***  [kibuzzard-67ED9A70]  143.74 46.22 90 top
kibuzzard-67ED9A70#6  G***  [kibuzzard-67ED9A70]  41.14 133.58 90 top
kibuzzard-67ED9A70#7  G***  [kibuzzard-67ED9A70]  143.74 89.9 90 top
kibuzzard-67ED9A70#8  G***  [kibuzzard-67ED9A70]  143.74 133.58 90 top
kibuzzard-67ED9A70#9  G***  [kibuzzard-67ED9A70]  92.44 46.22 90 top
kibuzzard-67ED9C3D  G***  [kibuzzard-67ED9C3D]  127.71 77.2 180 bottom
kibuzzard-67ED9C3D#2  G***  [kibuzzard-67ED9C3D]  76.41 120.88 180 bottom
kibuzzard-67ED9C3D#3  G***  [kibuzzard-67ED9C3D]  76.41 77.2 180 bottom
kibuzzard-67ED9C3D#4  G***  [kibuzzard-67ED9C3D]  127.71 33.52 180 bottom
kibuzzard-67ED9C3D#5  G***  [kibuzzard-67ED9C3D]  25.11 77.2 180 bottom
kibuzzard-67ED9C3D#6  G***  [kibuzzard-67ED9C3D]  25.11 120.88 180 bottom
kibuzzard-67ED9C3D#7  G***  [kibuzzard-67ED9C3D]  76.41 33.52 180 bottom
kibuzzard-67ED9C3D#8  G***  [kibuzzard-67ED9C3D]  127.71 120.88 180 bottom
kibuzzard-67ED9C3D#9  G***  [kibuzzard-67ED9C3D]  25.11 33.52 180 bottom
kibuzzard-67ED9D32  G***  [kibuzzard-67ED9D32]  39.87 113.9 270 bottom
kibuzzard-67ED9D32#2  G***  [kibuzzard-67ED9D32]  39.87 70.22 270 bottom
kibuzzard-67ED9D32#3  G***  [kibuzzard-67ED9D32]  142.47 113.9 270 bottom
kibuzzard-67ED9D32#4  G***  [kibuzzard-67ED9D32]  91.17 26.53 270 bottom
kibuzzard-67ED9D32#5  G***  [kibuzzard-67ED9D32]  91.17 70.22 270 bottom
kibuzzard-67ED9D32#6  G***  [kibuzzard-67ED9D32]  91.17 113.9 270 bottom
kibuzzard-67ED9D32#7  G***  [kibuzzard-67ED9D32]  142.47 26.53 270 bottom
kibuzzard-67ED9D32#8  G***  [kibuzzard-67ED9D32]  142.47 70.22 270 bottom
kibuzzard-67ED9D32#9  G***  [kibuzzard-67ED9D32]  39.87 26.53 270 bottom
kibuzzard-67ED9ED8  G***  [kibuzzard-67ED9ED8]  48.76 10.03 90 top
kibuzzard-67ED9ED8#2  G***  [kibuzzard-67ED9ED8]  100.06 10.03 90 top
kibuzzard-67ED9ED8#3  G***  [kibuzzard-67ED9ED8]  100.06 97.39 90 top
kibuzzard-67ED9ED8#4  G***  [kibuzzard-67ED9ED8]  151.36 97.39 90 top
kibuzzard-67ED9ED8#5  G***  [kibuzzard-67ED9ED8]  48.76 97.39 90 top
kibuzzard-67ED9ED8#6  G***  [kibuzzard-67ED9ED8]  48.76 53.7 90 top
kibuzzard-67ED9ED8#7  G***  [kibuzzard-67ED9ED8]  100.06 53.7 90 top
kibuzzard-67ED9ED8#8  G***  [kibuzzard-67ED9ED8]  151.36 10.03 90 top
kibuzzard-67ED9ED8#9  G***  [kibuzzard-67ED9ED8]  151.36 53.7 90 top
kibuzzard-67ED93D1  G***  [kibuzzard-67ED93D1]  52.57 22.41 90 top
kibuzzard-67ED93D1#2  G***  [kibuzzard-67ED93D1]  52.57 109.77 90 top
kibuzzard-67ED93D1#3  G***  [kibuzzard-67ED93D1]  155.17 22.41 90 top
kibuzzard-67ED93D1#4  G***  [kibuzzard-67ED93D1]  103.87 109.77 90 top
kibuzzard-67ED93D1#5  G***  [kibuzzard-67ED93D1]  155.17 66.09 90 top
kibuzzard-67ED93D1#6  G***  [kibuzzard-67ED93D1]  52.57 66.09 90 top
kibuzzard-67ED93D1#7  G***  [kibuzzard-67ED93D1]  103.87 66.09 90 top
kibuzzard-67ED93D1#8  G***  [kibuzzard-67ED93D1]  103.87 22.41 90 top
kibuzzard-67ED93D1#9  G***  [kibuzzard-67ED93D1]  155.17 109.77 90 top
kibuzzard-680A971A  G***  [kibuzzard-680A971A]  51.62 81.96 270 bottom
kibuzzard-680A971A#2  G***  [kibuzzard-680A971A]  102.92 38.28 270 bottom
kibuzzard-680A971A#3  G***  [kibuzzard-680A971A]  154.22 81.96 270 bottom
kibuzzard-680A971A#4  G***  [kibuzzard-680A971A]  102.92 81.96 270 bottom
kibuzzard-680A971A#5  G***  [kibuzzard-680A971A]  51.62 125.64 270 bottom
kibuzzard-680A971A#6  G***  [kibuzzard-680A971A]  102.92 125.64 270 bottom
kibuzzard-680A971A#7  G***  [kibuzzard-680A971A]  154.22 125.64 270 bottom
kibuzzard-680A971A#8  G***  [kibuzzard-680A971A]  154.22 38.28 270 bottom
kibuzzard-680A971A#9  G***  [kibuzzard-680A971A]  51.62 38.28 270 bottom
kibuzzard-680A972D  G***  [kibuzzard-680A972D]  56.06 37.49 270 bottom
kibuzzard-680A972D#2  G***  [kibuzzard-680A972D]  56.06 124.85 270 bottom
kibuzzard-680A972D#3  G***  [kibuzzard-680A972D]  56.06 81.17 270 bottom
kibuzzard-680A972D#4  G***  [kibuzzard-680A972D]  158.66 124.85 270 bottom
kibuzzard-680A972D#5  G***  [kibuzzard-680A972D]  107.36 124.85 270 bottom
kibuzzard-680A972D#6  G***  [kibuzzard-680A972D]  107.36 37.49 270 bottom
kibuzzard-680A972D#7  G***  [kibuzzard-680A972D]  158.66 81.17 270 bottom
kibuzzard-680A972D#8  G***  [kibuzzard-680A972D]  158.66 37.49 270 bottom
kibuzzard-680A972D#9  G***  [kibuzzard-680A972D]  107.36 81.17 270 bottom
kibuzzard-680A9713  G***  [kibuzzard-680A9713]  49.4 125.48 270 bottom
kibuzzard-680A9713#2  G***  [kibuzzard-680A9713]  100.69 81.8 270 bottom
kibuzzard-680A9713#3  G***  [kibuzzard-680A9713]  151.99 38.12 270 bottom
kibuzzard-680A9713#4  G***  [kibuzzard-680A9713]  49.4 81.8 270 bottom
kibuzzard-680A9713#5  G***  [kibuzzard-680A9713]  100.69 38.12 270 bottom
kibuzzard-680A9713#6  G***  [kibuzzard-680A9713]  100.69 125.48 270 bottom
kibuzzard-680A9713#7  G***  [kibuzzard-680A9713]  151.99 125.48 270 bottom
kibuzzard-680A9713#8  G***  [kibuzzard-680A9713]  151.99 81.8 270 bottom
kibuzzard-680A9713#9  G***  [kibuzzard-680A9713]  49.4 38.12 270 bottom
kibuzzard-680A9725  G***  [kibuzzard-680A9725]  53.84 38.28 270 bottom
kibuzzard-680A9725#2  G***  [kibuzzard-680A9725]  105.14 38.28 270 bottom
kibuzzard-680A9725#3  G***  [kibuzzard-680A9725]  53.84 125.64 270 bottom
kibuzzard-680A9725#4  G***  [kibuzzard-680A9725]  156.44 38.28 270 bottom
